# KiCad board APDS9960 Adapter board_panel.kicad_pcb (continued)
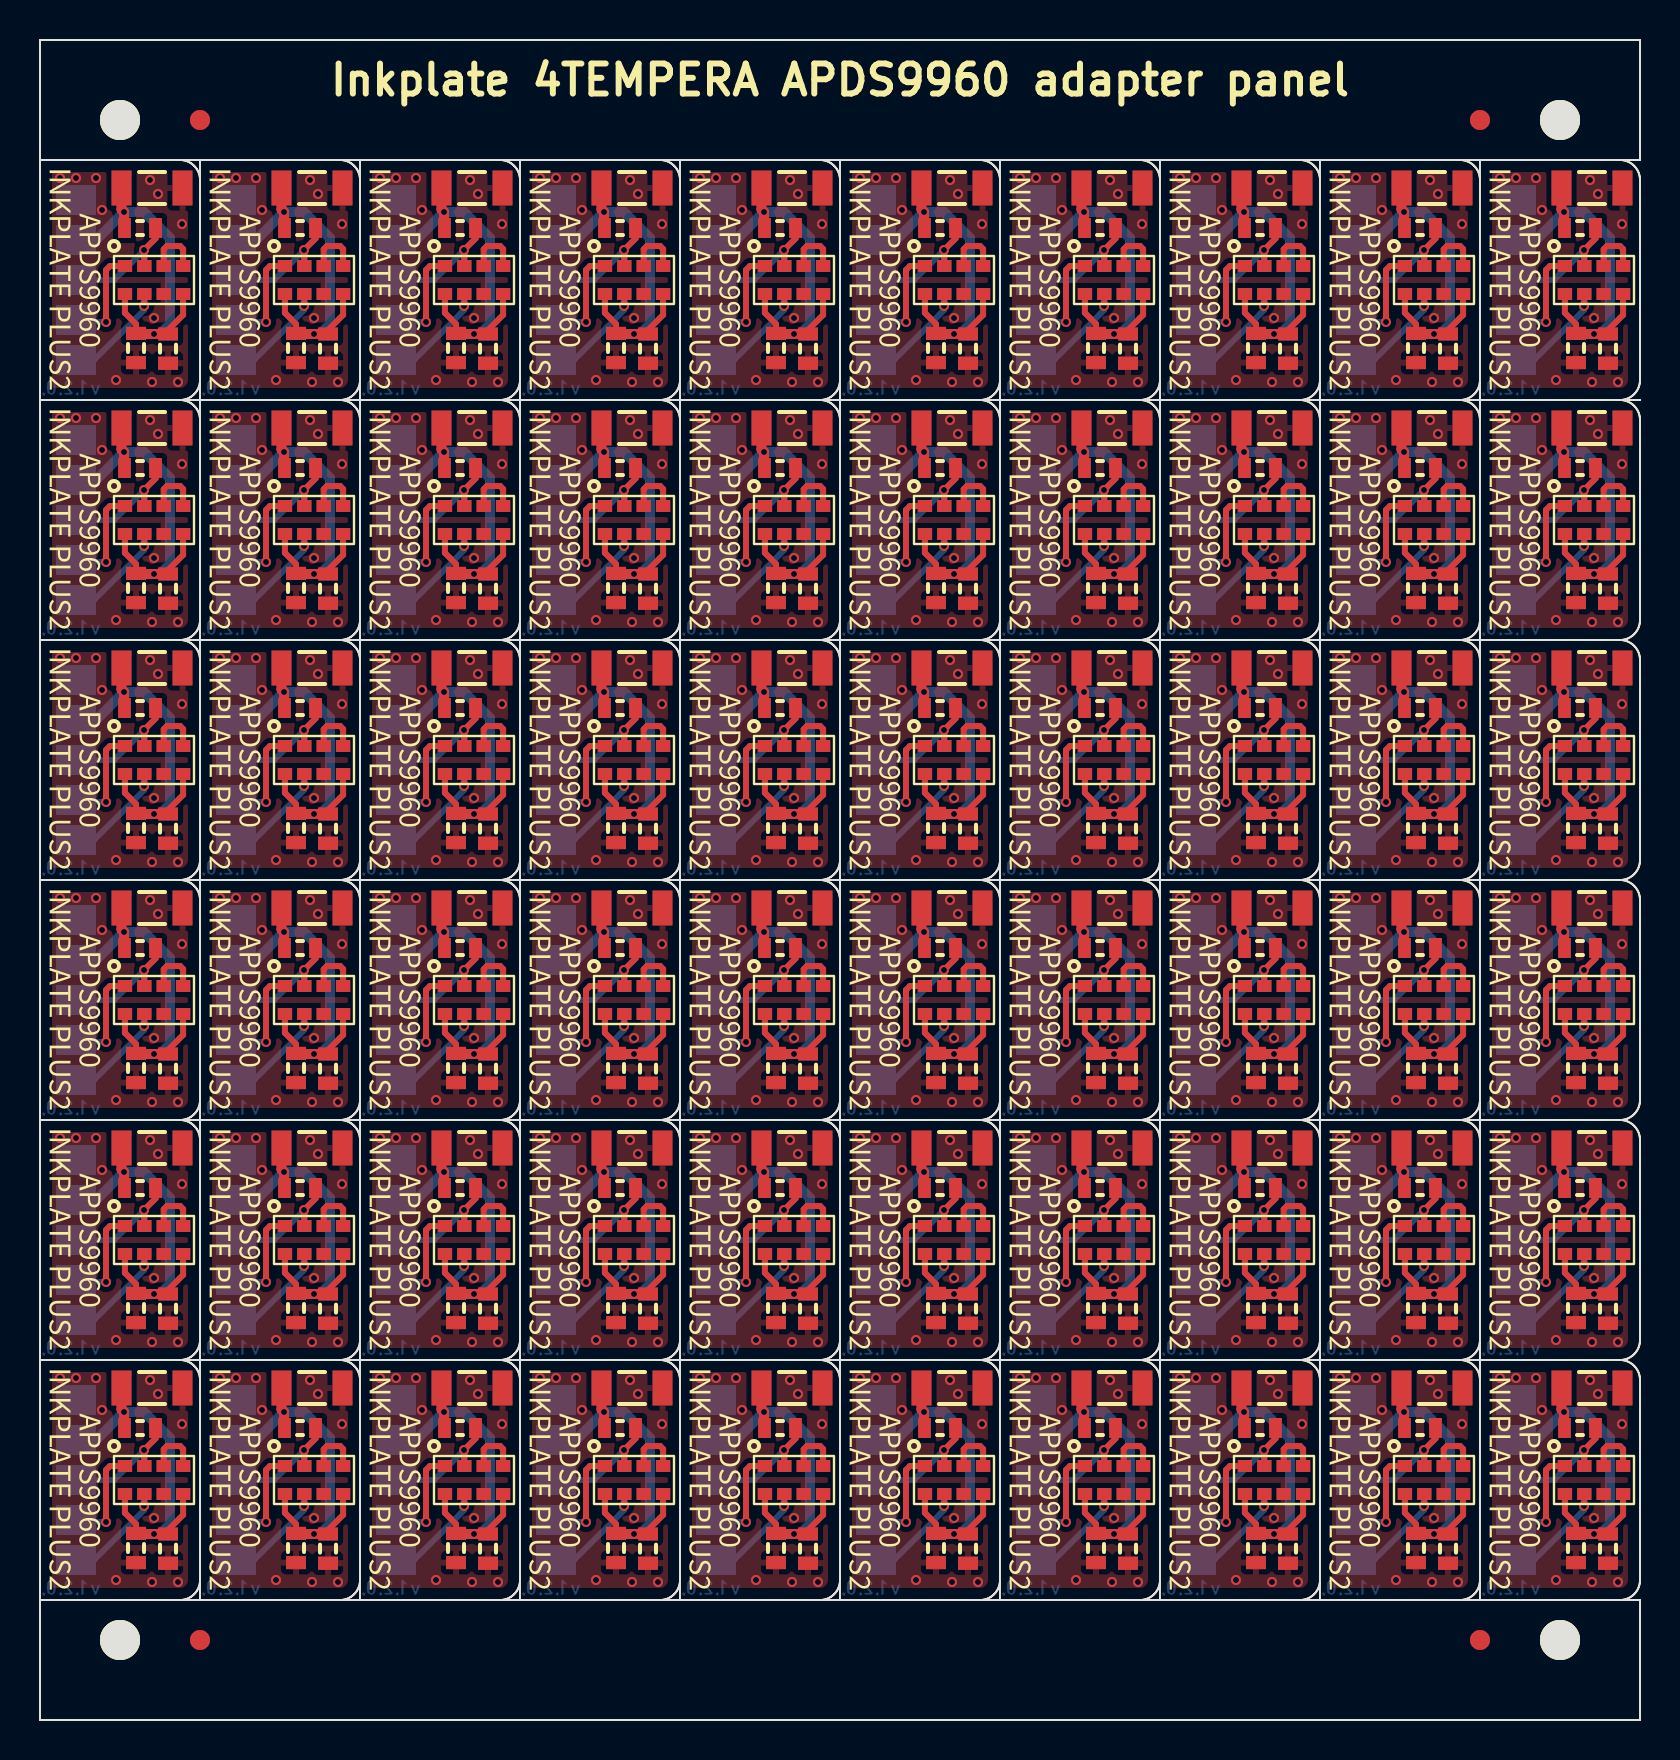
[diagram p0: board, top side]
## Routing (per net, layer and track width the routed paths; a pad name or vN(x,y) marks a point on that pad's centre or on a via; arc(x,y) is an arc through that point) (continued)
Board_43-GND:
  vias: v1(25,29.1) v1(25.8,29.1) v1(26.8,29.1) v1(27.1,27.5) v1(27.8,19) v1(29.5,29) v1(29.6,18.9) v1(29.7,22.1) v1(29.9,28.3) v1(30.9,18.9) v1(31.1,26.8)
Board_43-I2C_SCL: length 5.2
  Top w0.3: U1#6.7 29.22,22.72 v1(29.2,22.7)
  Bottom w0.3: v1(29.2,22.7) 29.2,22.5 26.7,20 PAD2#33.1
Board_43-I2C_SDA: length 5.2
  Top w0.3: v1(27.3,21.9) 27.3,24.5 27.5,24.7 U1#6.1
  Bottom w0.3: v1(27.3,21.9) 25.9,21.9 PAD1#53.1
Board_43-INT_APDS: length 6.2
  Top w0.3: R1#21.1 29.78,26.08 v1(29.2,25.5) 29.22,25.49 U1#6.2
  Bottom w0.3: v1(29.2,25.5) 27.7,24 PAD3#6.1
Board_43-Net-(U1-Pad3): length 2.8
  Top w0.3: U1#6.4 31.16,25.55 31,25.7 30.35,25.7 30.19,25.54 U1#6.3
Board_44-3V3: length 20
  Top w0.3: U1#23.8 36.25,22.36 36.8,21.8 C1#59.2 ; C2#9.2 38.4,21.5 39.16,22.26 U1#23.5
  Top w0.5: v1(37.7,21.3) C2#9.2 36.83,21.3 C1#59.2 ; R1#24.2 36.2,26.63 v1(36.2,27.4) 36.08,27.53 C3#60.2
  Bottom w0.5: PAD4#5.1 34.8,26 v1(36.2,27.4) 37.2,27.4 38.5,26.1 38.5,21.8 38,21.3 v1(37.7,21.3)
Board_44-GND:
  vias: v1(33,29.1) v1(33.8,29.1) v1(34.8,29.1) v1(35.1,27.5) v1(35.8,19) v1(37.5,29) v1(37.6,18.9) v1(37.7,22.1) v1(37.9,28.3) v1(38.9,18.9) v1(39.1,26.8)
Board_44-I2C_SCL: length 5.2
  Top w0.3: v1(37.2,22.7) 37.22,22.72 U1#23.7
  Bottom w0.3: v1(37.2,22.7) 37.2,22.5 34.7,20 PAD2#18.1
Board_44-I2C_SDA: length 5.2
  Top w0.3: v1(35.3,21.9) 35.3,24.5 35.5,24.7 U1#23.1
  Bottom w0.3: v1(35.3,21.9) 33.9,21.9 PAD1#2.1
Board_44-INT_APDS: length 6.2
  Top w0.3: R1#24.1 37.78,26.08 v1(37.2,25.5) 37.22,25.49 U1#23.2
  Bottom w0.3: PAD3#19.1 35.7,24 v1(37.2,25.5)
Board_44-Net-(U1-Pad3): length 2.8
  Top w0.3: U1#23.4 39.16,25.55 39,25.7 38.35,25.7 38.19,25.54 U1#23.3
Board_45-3V3: length 20
  Top w0.3: U1#18.8 44.25,22.36 44.8,21.8 C1#47.2 ; U1#18.5 47.16,22.26 46.4,21.5 C2#39.2
  Top w0.5: R1#18.2 44.2,26.63 v1(44.2,27.4) 44.08,27.53 C3#15.2 ; C1#47.2 44.83,21.3 C2#39.2 v1(45.7,21.3)
  Bottom w0.5: PAD4#43.1 42.8,26 v1(44.2,27.4) 45.2,27.4 46.5,26.1 46.5,21.8 46,21.3 v1(45.7,21.3)
Board_45-GND:
  vias: v1(41,29.1) v1(41.8,29.1) v1(42.8,29.1) v1(43.1,27.5) v1(43.8,19) v1(45.5,29) v1(45.6,18.9) v1(45.7,22.1) v1(45.9,28.3) v1(46.9,18.9) v1(47.1,26.8)
Board_45-I2C_SCL: length 5.2
  Top w0.3: U1#18.7 45.22,22.72 v1(45.2,22.7)
  Bottom w0.3: PAD2#12.1 42.7,20 45.2,22.5 v1(45.2,22.7)
Board_45-I2C_SDA: length 5.2
  Top w0.3: v1(43.3,21.9) 43.3,24.5 43.5,24.7 U1#18.1
  Bottom w0.3: v1(43.3,21.9) 41.9,21.9 PAD1#37.1
Board_45-INT_APDS: length 6.2
  Top w0.3: R1#18.1 45.78,26.08 v1(45.2,25.5) 45.22,25.49 U1#18.2
  Bottom w0.3: v1(45.2,25.5) 43.7,24 PAD3#17.1
Board_45-Net-(U1-Pad3): length 2.8
  Top w0.3: U1#18.3 46.19,25.54 46.35,25.7 47,25.7 47.16,25.55 U1#18.4
Board_46-3V3: length 20
  Top w0.3: U1#54.8 52.25,22.36 52.8,21.8 C1#60.2 ; C2#54.2 54.4,21.5 55.16,22.26 U1#54.5
  Top w0.5: v1(53.7,21.3) C2#54.2 52.83,21.3 C1#60.2 ; C3#31.2 52.08,27.53 v1(52.2,27.4) 52.2,26.63 R1#31.2
  Bottom w0.5: PAD4#7.1 50.8,26 v1(52.2,27.4) 53.2,27.4 54.5,26.1 54.5,21.8 54,21.3 v1(53.7,21.3)
Board_46-GND:
  vias: v1(49,29.1) v1(49.8,29.1) v1(50.8,29.1) v1(51.1,27.5) v1(51.8,19) v1(53.5,29) v1(53.6,18.9) v1(53.7,22.1) v1(53.9,28.3) v1(54.9,18.9) v1(55.1,26.8)
Board_46-I2C_SCL: length 5.2
  Top w0.3: v1(53.2,22.7) 53.22,22.72 U1#54.7
  Bottom w0.3: v1(53.2,22.7) 53.2,22.5 50.7,20 PAD2#3.1
Board_46-I2C_SDA: length 5.2
  Top w0.3: U1#54.1 51.5,24.7 51.3,24.5 v1(51.3,21.9)
  Bottom w0.3: v1(51.3,21.9) 49.9,21.9 PAD1#60.1
Board_46-INT_APDS: length 6.2
  Top w0.3: R1#31.1 53.78,26.08 v1(53.2,25.5) 53.22,25.49 U1#54.2
  Bottom w0.3: PAD3#30.1 51.7,24 v1(53.2,25.5)
Board_46-Net-(U1-Pad3): length 2.8
  Top w0.3: U1#54.3 54.19,25.54 54.35,25.7 55,25.7 55.16,25.55 U1#54.4
Board_47-3V3: length 20
  Top w0.3: C2#55.2 62.4,21.5 63.16,22.26 U1#19.5 ; C1#7.2 60.8,21.8 60.25,22.36 U1#19.8
  Top w0.5: R1#55.2 60.2,26.63 v1(60.2,27.4) 60.08,27.53 C3#36.2 ; v1(61.7,21.3) C2#55.2 60.83,21.3 C1#7.2
  Bottom w0.5: v1(61.7,21.3) 62,21.3 62.5,21.8 62.5,26.1 61.2,27.4 v1(60.2,27.4) 58.8,26 PAD4#24.1
Board_47-GND:
  vias: v1(57,29.1) v1(57.8,29.1) v1(58.8,29.1) v1(59.1,27.5) v1(59.8,19) v1(61.5,29) v1(61.6,18.9) v1(61.7,22.1) v1(61.9,28.3) v1(62.9,18.9) v1(63.1,26.8)
Board_47-I2C_SCL: length 5.2
  Top w0.3: v1(61.2,22.7) 61.22,22.72 U1#19.7
  Bottom w0.3: v1(61.2,22.7) 61.2,22.5 58.7,20 PAD2#57.1
Board_47-I2C_SDA: length 5.2
  Top w0.3: U1#19.1 59.5,24.7 59.3,24.5 v1(59.3,21.9)
  Bottom w0.3: PAD1#54.1 57.9,21.9 v1(59.3,21.9)
Board_47-INT_APDS: length 6.2
  Top w0.3: R1#55.1 61.78,26.08 v1(61.2,25.5) 61.22,25.49 U1#19.2
  Bottom w0.3: PAD3#52.1 59.7,24 v1(61.2,25.5)
Board_47-Net-(U1-Pad3): length 2.8
  Top w0.3: U1#19.4 63.16,25.55 63,25.7 62.35,25.7 62.19,25.54 U1#19.3
Board_48-3V3: length 20
  Top w0.3: U1#8.8 68.25,22.36 68.8,21.8 C1#23.2 ; U1#8.5 71.16,22.26 70.4,21.5 C2#24.2
  Top w0.5: C3#56.2 68.08,27.53 v1(68.2,27.4) 68.2,26.63 R1#57.2 ; v1(69.7,21.3) C2#24.2 68.83,21.3 C1#23.2
  Bottom w0.5: v1(69.7,21.3) 70,21.3 70.5,21.8 70.5,26.1 69.2,27.4 v1(68.2,27.4) 66.8,26 PAD4#4.1
Board_48-GND:
  vias: v1(65,29.1) v1(65.8,29.1) v1(66.8,29.1) v1(67.1,27.5) v1(67.8,19) v1(69.5,29) v1(69.6,18.9) v1(69.7,22.1) v1(69.9,28.3) v1(70.9,18.9) v1(71.1,26.8)
Board_48-I2C_SCL: length 5.2
  Top w0.3: v1(69.2,22.7) 69.22,22.72 U1#8.7
  Bottom w0.3: PAD2.1 66.7,20 69.2,22.5 v1(69.2,22.7)
Board_48-I2C_SDA: length 5.2
  Top w0.3: v1(67.3,21.9) 67.3,24.5 67.5,24.7 U1#8.1
  Bottom w0.3: PAD1#57.1 65.9,21.9 v1(67.3,21.9)
Board_48-INT_APDS: length 6.2
  Top w0.3: U1#8.2 69.22,25.49 v1(69.2,25.5) 69.78,26.08 R1#57.1
  Bottom w0.3: PAD3#13.1 67.7,24 v1(69.2,25.5)
Board_48-Net-(U1-Pad3): length 2.8
  Top w0.3: U1#8.4 71.16,25.55 71,25.7 70.35,25.7 70.19,25.54 U1#8.3
Board_49-3V3: length 20
  Top w0.3: C2#47.2 78.4,21.5 79.16,22.26 U1#44.5 ; C1#9.2 76.8,21.8 76.25,22.36 U1#44.8
  Top w0.5: R1#38.2 76.2,26.63 v1(76.2,27.4) 76.08,27.53 C3.2 ; C1#9.2 76.83,21.3 C2#47.2 v1(77.7,21.3)
  Bottom w0.5: PAD4#36.1 74.8,26 v1(76.2,27.4) 77.2,27.4 78.5,26.1 78.5,21.8 78,21.3 v1(77.7,21.3)
Board_49-GND:
  vias: v1(73,29.1) v1(73.8,29.1) v1(74.8,29.1) v1(75.1,27.5) v1(75.8,19) v1(77.5,29) v1(77.6,18.9) v1(77.7,22.1) v1(77.9,28.3) v1(78.9,18.9) v1(79.1,26.8)
Board_49-I2C_SCL: length 5.2
  Top w0.3: U1#44.7 77.22,22.72 v1(77.2,22.7)
  Bottom w0.3: v1(77.2,22.7) 77.2,22.5 74.7,20 PAD2#47.1
Board_49-I2C_SDA: length 5.2
  Top w0.3: v1(75.3,21.9) 75.3,24.5 75.5,24.7 U1#44.1
  Bottom w0.3: PAD1#47.1 73.9,21.9 v1(75.3,21.9)
Board_49-INT_APDS: length 6.2
  Top w0.3: U1#44.2 77.22,25.49 v1(77.2,25.5) 77.78,26.08 R1#38.1
  Bottom w0.3: v1(77.2,25.5) 75.7,24 PAD3#22.1
Board_49-Net-(U1-Pad3): length 2.8
  Top w0.3: U1#44.3 78.19,25.54 78.35,25.7 79,25.7 79.16,25.55 U1#44.4
Board_50-3V3: length 20
  Top w0.3: U1#45.5 7.16,10.25 6.4,9.5 C2#45.2 ; U1#45.8 4.25,10.35 4.8,9.8 C1.2
  Top w0.5: v1(5.7,9.3) C2#45.2 4.83,9.3 C1.2 ; R1#20.2 4.2,14.62 v1(4.2,15.4) 4.08,15.52 C3#19.2
  Bottom w0.5: PAD4#53.1 2.8,14 v1(4.2,15.4) 5.2,15.4 6.5,14.1 6.5,9.8 6,9.3 v1(5.7,9.3)
Board_50-GND:
  vias: v1(1,17.1) v1(1.8,17.1) v1(2.8,17.1) v1(3.1,15.5) v1(3.8,7) v1(5.5,17) v1(5.6,6.9) v1(5.7,10.1) v1(5.9,16.3) v1(6.9,6.9) v1(7.1,14.8)
Board_50-I2C_SCL: length 5.2
  Top w0.3: v1(5.2,10.7) 5.22,10.71 U1#45.7
  Bottom w0.3: PAD2#44.1 2.7,8 5.2,10.5 v1(5.2,10.7)
Board_50-I2C_SDA: length 5.2
  Top w0.3: v1(3.3,9.9) 3.3,12.5 3.5,12.7 U1#45.1
  Bottom w0.3: v1(3.3,9.9) 1.9,9.9 PAD1#35.1
Board_50-INT_APDS: length 6.2
  Top w0.3: U1#45.2 5.22,13.48 v1(5.2,13.5) 5.78,14.07 R1#20.1
  Bottom w0.3: PAD3#34.1 3.7,12 v1(5.2,13.5)
Board_50-Net-(U1-Pad3): length 2.8
  Top w0.3: U1#45.3 6.19,13.53 6.35,13.7 7,13.7 7.16,13.54 U1#45.4
Board_51-3V3: length 20
  Top w0.3: U1#16.8 12.25,10.35 12.8,9.8 C1#15.2 ; U1#16.5 15.16,10.25 14.4,9.5 C2#43.2
  Top w0.5: C1#15.2 12.83,9.3 C2#43.2 v1(13.7,9.3) ; R1#17.2 12.2,14.62 v1(12.2,15.4) 12.08,15.52 C3#47.2
  Bottom w0.5: v1(13.7,9.3) 14,9.3 14.5,9.8 14.5,14.1 13.2,15.4 v1(12.2,15.4) 10.8,14 PAD4#30.1
Board_51-GND:
  vias: v1(9,17.1) v1(9.8,17.1) v1(10.8,17.1) v1(11.1,15.5) v1(11.8,7) v1(13.5,17) v1(13.6,6.9) v1(13.7,10.1) v1(13.9,16.3) v1(14.9,6.9) v1(15.1,14.8)
Board_51-I2C_SCL: length 5.2
  Top w0.3: v1(13.2,10.7) 13.22,10.71 U1#16.7
  Bottom w0.3: PAD2#59.1 10.7,8 13.2,10.5 v1(13.2,10.7)
Board_51-I2C_SDA: length 5.2
  Top w0.3: v1(11.3,9.9) 11.3,12.5 11.5,12.7 U1#16.1
  Bottom w0.3: v1(11.3,9.9) 9.9,9.9 PAD1#51.1
Board_51-INT_APDS: length 6.2
  Top w0.3: R1#17.1 13.78,14.07 v1(13.2,13.5) 13.22,13.48 U1#16.2
  Bottom w0.3: PAD3#23.1 11.7,12 v1(13.2,13.5)
Board_51-Net-(U1-Pad3): length 2.8
  Top w0.3: U1#16.4 15.16,13.54 15,13.7 14.35,13.7 14.19,13.53 U1#16.3
Board_52-3V3: length 20
  Top w0.3: C1#20.2 20.8,9.8 20.25,10.35 U1#5.8 ; C2#57.2 22.4,9.5 23.16,10.25 U1#5.5
  Top w0.5: v1(21.7,9.3) C2#57.2 20.83,9.3 C1#20.2 ; C3#27.2 20.08,15.52 v1(20.2,15.4) 20.2,14.62 R1#6.2
  Bottom w0.5: PAD4#55.1 18.8,14 v1(20.2,15.4) 21.2,15.4 22.5,14.1 22.5,9.8 22,9.3 v1(21.7,9.3)
Board_52-GND:
  vias: v1(17,17.1) v1(17.8,17.1) v1(18.8,17.1) v1(19.1,15.5) v1(19.8,7) v1(21.5,17) v1(21.6,6.9) v1(21.7,10.1) v1(21.9,16.3) v1(22.9,6.9) v1(23.1,14.8)
Board_52-I2C_SCL: length 5.2
  Top w0.3: U1#5.7 21.22,10.71 v1(21.2,10.7)
  Bottom w0.3: v1(21.2,10.7) 21.2,10.5 18.7,8 PAD2#25.1
Board_52-I2C_SDA: length 5.2
  Top w0.3: U1#5.1 19.5,12.7 19.3,12.5 v1(19.3,9.9)
  Bottom w0.3: v1(19.3,9.9) 17.9,9.9 PAD1#31.1
Board_52-INT_APDS: length 6.2
  Top w0.3: R1#6.1 21.78,14.07 v1(21.2,13.5) 21.22,13.48 U1#5.2
  Bottom w0.3: v1(21.2,13.5) 19.7,12 PAD3#60.1
Board_52-Net-(U1-Pad3): length 2.8
  Top w0.3: U1#5.3 22.19,13.53 22.35,13.7 23,13.7 23.16,13.54 U1#5.4
Board_53-3V3: length 20
  Top w0.3: U1#47.8 28.25,10.35 28.8,9.8 C1#3.2 ; C2#11.2 30.4,9.5 31.16,10.25 U1#47.5
  Top w0.5: v1(29.7,9.3) C2#11.2 28.83,9.3 C1#3.2 ; C3#52.2 28.08,15.52 v1(28.2,15.4) 28.2,14.62 R1#13.2
  Bottom w0.5: PAD4#48.1 26.8,14 v1(28.2,15.4) 29.2,15.4 30.5,14.1 30.5,9.8 30,9.3 v1(29.7,9.3)
Board_53-GND:
  vias: v1(25,17.1) v1(25.8,17.1) v1(26.8,17.1) v1(27.1,15.5) v1(27.8,7) v1(29.5,17) v1(29.6,6.9) v1(29.7,10.1) v1(29.9,16.3) v1(30.9,6.9) v1(31.1,14.8)
Board_53-I2C_SCL: length 5.2
  Top w0.3: v1(29.2,10.7) 29.22,10.71 U1#47.7
  Bottom w0.3: v1(29.2,10.7) 29.2,10.5 26.7,8 PAD2#10.1
Board_53-I2C_SDA: length 5.2
  Top w0.3: v1(27.3,9.9) 27.3,12.5 27.5,12.7 U1#47.1
  Bottom w0.3: PAD1#17.1 25.9,9.9 v1(27.3,9.9)
Board_53-INT_APDS: length 6.2
  Top w0.3: U1#47.2 29.22,13.48 v1(29.2,13.5) 29.78,14.07 R1#13.1
  Bottom w0.3: PAD3.1 27.7,12 v1(29.2,13.5)
Board_53-Net-(U1-Pad3): length 2.8
  Top w0.3: U1#47.3 30.19,13.53 30.35,13.7 31,13.7 31.16,13.54 U1#47.4
Board_54-3V3: length 20
  Top w0.3: C1#21.2 36.8,9.8 36.25,10.35 U1#56.8 ; C2#33.2 38.4,9.5 39.16,10.25 U1#56.5
  Top w0.5: v1(37.7,9.3) C2#33.2 36.83,9.3 C1#21.2 ; C3#38.2 36.08,15.52 v1(36.2,15.4) 36.2,14.62 R1#8.2
  Bottom w0.5: PAD4#57.1 34.8,14 v1(36.2,15.4) 37.2,15.4 38.5,14.1 38.5,9.8 38,9.3 v1(37.7,9.3)
Board_54-GND:
  vias: v1(33,17.1) v1(33.8,17.1) v1(34.8,17.1) v1(35.1,15.5) v1(35.8,7) v1(37.5,17) v1(37.6,6.9) v1(37.7,10.1) v1(37.9,16.3) v1(38.9,6.9) v1(39.1,14.8)
Board_54-I2C_SCL: length 5.2
  Top w0.3: U1#56.7 37.22,10.71 v1(37.2,10.7)
  Bottom w0.3: PAD2#49.1 34.7,8 37.2,10.5 v1(37.2,10.7)
Board_54-I2C_SDA: length 5.2
  Top w0.3: v1(35.3,9.9) 35.3,12.5 35.5,12.7 U1#56.1
  Bottom w0.3: v1(35.3,9.9) 33.9,9.9 PAD1#22.1
Board_54-INT_APDS: length 6.2
  Top w0.3: U1#56.2 37.22,13.48 v1(37.2,13.5) 37.78,14.07 R1#8.1
  Bottom w0.3: PAD3#33.1 35.7,12 v1(37.2,13.5)
Board_54-Net-(U1-Pad3): length 2.8
  Top w0.3: U1#56.3 38.19,13.53 38.35,13.7 39,13.7 39.16,13.54 U1#56.4
Board_55-3V3: length 20
  Top w0.3: C2#38.2 46.4,9.5 47.16,10.25 U1#26.5 ; U1#26.8 44.25,10.35 44.8,9.8 C1#28.2
  Top w0.5: C1#28.2 44.83,9.3 C2#38.2 v1(45.7,9.3) ; R1#45.2 44.2,14.62 v1(44.2,15.4) 44.08,15.52 C3#51.2
  Bottom w0.5: PAD4#9.1 42.8,14 v1(44.2,15.4) 45.2,15.4 46.5,14.1 46.5,9.8 46,9.3 v1(45.7,9.3)
Board_55-GND:
  vias: v1(41,17.1) v1(41.8,17.1) v1(42.8,17.1) v1(43.1,15.5) v1(43.8,7) v1(45.5,17) v1(45.6,6.9) v1(45.7,10.1) v1(45.9,16.3) v1(46.9,6.9) v1(47.1,14.8)
Board_55-I2C_SCL: length 5.2
  Top w0.3: U1#26.7 45.22,10.71 v1(45.2,10.7)
  Bottom w0.3: PAD2#46.1 42.7,8 45.2,10.5 v1(45.2,10.7)
Board_55-I2C_SDA: length 5.2
  Top w0.3: U1#26.1 43.5,12.7 43.3,12.5 v1(43.3,9.9)
  Bottom w0.3: v1(43.3,9.9) 41.9,9.9 PAD1#18.1
Board_55-INT_APDS: length 6.2
  Top w0.3: U1#26.2 45.22,13.48 v1(45.2,13.5) 45.78,14.07 R1#45.1
  Bottom w0.3: PAD3#3.1 43.7,12 v1(45.2,13.5)
Board_55-Net-(U1-Pad3): length 2.8
  Top w0.3: U1#26.3 46.19,13.53 46.35,13.7 47,13.7 47.16,13.54 U1#26.4
Board_56-3V3: length 20
  Top w0.3: U1#48.8 52.25,10.35 52.8,9.8 C1#8.2 ; U1#48.5 55.16,10.25 54.4,9.5 C2#13.2
  Top w0.5: v1(53.7,9.3) C2#13.2 52.83,9.3 C1#8.2 ; C3#11.2 52.08,15.52 v1(52.2,15.4) 52.2,14.62 R1#60.2
  Bottom w0.5: PAD4#28.1 50.8,14 v1(52.2,15.4) 53.2,15.4 54.5,14.1 54.5,9.8 54,9.3 v1(53.7,9.3)
Board_56-GND:
  vias: v1(49,17.1) v1(49.8,17.1) v1(50.8,17.1) v1(51.1,15.5) v1(51.8,7) v1(53.5,17) v1(53.6,6.9) v1(53.7,10.1) v1(53.9,16.3) v1(54.9,6.9) v1(55.1,14.8)
Board_56-I2C_SCL: length 5.2
  Top w0.3: v1(53.2,10.7) 53.22,10.71 U1#48.7
  Bottom w0.3: v1(53.2,10.7) 53.2,10.5 50.7,8 PAD2#9.1
Board_56-I2C_SDA: length 5.2
  Top w0.3: U1#48.1 51.5,12.7 51.3,12.5 v1(51.3,9.9)
  Bottom w0.3: v1(51.3,9.9) 49.9,9.9 PAD1#20.1
Board_56-INT_APDS: length 6.2
  Top w0.3: U1#48.2 53.22,13.48 v1(53.2,13.5) 53.78,14.07 R1#60.1
  Bottom w0.3: PAD3#43.1 51.7,12 v1(53.2,13.5)
Board_56-Net-(U1-Pad3): length 2.8
  Top w0.3: U1#48.3 54.19,13.53 54.35,13.7 55,13.7 55.16,13.54 U1#48.4
Board_57-3V3: length 20
  Top w0.3: C1#5.2 60.8,9.8 60.25,10.35 U1#13.8 ; U1#13.5 63.16,10.25 62.4,9.5 C2#42.2
  Top w0.5: R1#27.2 60.2,14.62 v1(60.2,15.4) 60.08,15.52 C3#9.2 ; C1#5.2 60.83,9.3 C2#42.2 v1(61.7,9.3)
  Bottom w0.5: PAD4#2.1 58.8,14 v1(60.2,15.4) 61.2,15.4 62.5,14.1 62.5,9.8 62,9.3 v1(61.7,9.3)
Board_57-GND:
  vias: v1(57,17.1) v1(57.8,17.1) v1(58.8,17.1) v1(59.1,15.5) v1(59.8,7) v1(61.5,17) v1(61.6,6.9) v1(61.7,10.1) v1(61.9,16.3) v1(62.9,6.9) v1(63.1,14.8)
Board_57-I2C_SCL: length 5.2
  Top w0.3: v1(61.2,10.7) 61.22,10.71 U1#13.7
  Bottom w0.3: v1(61.2,10.7) 61.2,10.5 58.7,8 PAD2#14.1
Board_57-I2C_SDA: length 5.2
  Top w0.3: U1#13.1 59.5,12.7 59.3,12.5 v1(59.3,9.9)
  Bottom w0.3: PAD1#42.1 57.9,9.9 v1(59.3,9.9)
Board_57-INT_APDS: length 6.2
  Top w0.3: R1#27.1 61.78,14.07 v1(61.2,13.5) 61.22,13.48 U1#13.2
  Bottom w0.3: PAD3#32.1 59.7,12 v1(61.2,13.5)
Board_57-Net-(U1-Pad3): length 2.8
  Top w0.3: U1#13.4 63.16,13.54 63,13.7 62.35,13.7 62.19,13.53 U1#13.3
Board_58-3V3: length 20
  Top w0.3: C1#49.2 68.8,9.8 68.25,10.35 U1#29.8 ; U1#29.5 71.16,10.25 70.4,9.5 C2#32.2
  Top w0.5: C3#37.2 68.08,15.52 v1(68.2,15.4) 68.2,14.62 R1#5.2 ; v1(69.7,9.3) C2#32.2 68.83,9.3 C1#49.2
  Bottom w0.5: PAD4#8.1 66.8,14 v1(68.2,15.4) 69.2,15.4 70.5,14.1 70.5,9.8 70,9.3 v1(69.7,9.3)
Board_58-GND:
  vias: v1(65,17.1) v1(65.8,17.1) v1(66.8,17.1) v1(67.1,15.5) v1(67.8,7) v1(69.5,17) v1(69.6,6.9) v1(69.7,10.1) v1(69.9,16.3) v1(70.9,6.9) v1(71.1,14.8)
Board_58-I2C_SCL: length 5.2
  Top w0.3: U1#29.7 69.22,10.71 v1(69.2,10.7)
  Bottom w0.3: v1(69.2,10.7) 69.2,10.5 66.7,8 PAD2#7.1
Board_58-I2C_SDA: length 5.2
  Top w0.3: U1#29.1 67.5,12.7 67.3,12.5 v1(67.3,9.9)
  Bottom w0.3: v1(67.3,9.9) 65.9,9.9 PAD1#45.1
Board_58-INT_APDS: length 6.2
  Top w0.3: R1#5.1 69.78,14.07 v1(69.2,13.5) 69.22,13.48 U1#29.2
  Bottom w0.3: PAD3#24.1 67.7,12 v1(69.2,13.5)
Board_58-Net-(U1-Pad3): length 2.8
  Top w0.3: U1#29.4 71.16,13.54 71,13.7 70.35,13.7 70.19,13.53 U1#29.3
Board_59-3V3: length 20
  Top w0.3: U1#51.5 79.16,10.25 78.4,9.5 C2#14.2 ; U1#51.8 76.25,10.35 76.8,9.8 C1#37.2
  Top w0.5: C3#18.2 76.08,15.52 v1(76.2,15.4) 76.2,14.62 R1#43.2 ; C1#37.2 76.83,9.3 C2#14.2 v1(77.7,9.3)
  Bottom w0.5: PAD4#25.1 74.8,14 v1(76.2,15.4) 77.2,15.4 78.5,14.1 78.5,9.8 78,9.3 v1(77.7,9.3)
Board_59-GND:
  vias: v1(73,17.1) v1(73.8,17.1) v1(74.8,17.1) v1(75.1,15.5) v1(75.8,7) v1(77.5,17) v1(77.6,6.9) v1(77.7,10.1) v1(77.9,16.3) v1(78.9,6.9) v1(79.1,14.8)
Board_59-I2C_SCL: length 5.2
  Top w0.3: U1#51.7 77.22,10.71 v1(77.2,10.7)
  Bottom w0.3: PAD2#56.1 74.7,8 77.2,10.5 v1(77.2,10.7)
Board_59-I2C_SDA: length 5.2
  Top w0.3: U1#51.1 75.5,12.7 75.3,12.5 v1(75.3,9.9)
  Bottom w0.3: v1(75.3,9.9) 73.9,9.9 PAD1#52.1
Board_59-INT_APDS: length 6.2
  Top w0.3: U1#51.2 77.22,13.48 v1(77.2,13.5) 77.78,14.07 R1#43.1
  Bottom w0.3: PAD3#50.1 75.7,12 v1(77.2,13.5)
Board_59-Net-(U1-Pad3): length 2.8
  Top w0.3: U1#51.3 78.19,13.53 78.35,13.7 79,13.7 79.16,13.54 U1#51.4

## Copper pours and planes (outline as drawn; the poured copper is in the pictures)
Board_0-GND on Top, Bottom: 8,66 0,66 0,78 8,78
Board_1-GND on Top, Bottom: 16,66 8,66 8,78 16,78
Board_2-GND on Top, Bottom: 24,66 16,66 16,78 24,78
Board_3-GND on Top, Bottom: 32,66 24,66 24,78 32,78
Board_4-GND on Top, Bottom: 40,66 32,66 32,78 40,78
Board_5-GND on Top, Bottom: 48,66 40,66 40,78 48,78
Board_6-GND on Top, Bottom: 56,66 48,66 48,78 56,78
Board_7-GND on Top, Bottom: 64,66 56,66 56,78 64,78
Board_8-GND on Top, Bottom: 72,66 64,66 64,78 72,78
Board_9-GND on Top, Bottom: 80,66 72,66 72,78 80,78
Board_10-GND on Top, Bottom: 8,54 0,54 0,66 8,66
Board_11-GND on Top, Bottom: 16,54 8,54 8,66 16,66
Board_12-GND on Top, Bottom: 24,54 16,54 16,66 24,66
Board_13-GND on Top, Bottom: 32,54 24,54 24,66 32,66
Board_14-GND on Top, Bottom: 40,54 32,54 32,66 40,66
Board_15-GND on Top, Bottom: 48,54 40,54 40,66 48,66
Board_16-GND on Top, Bottom: 56,54 48,54 48,66 56,66
Board_17-GND on Top, Bottom: 64,54 56,54 56,66 64,66
Board_18-GND on Top, Bottom: 72,54 64,54 64,66 72,66
Board_19-GND on Top, Bottom: 80,54 72,54 72,66 80,66
Board_20-GND on Top, Bottom: 8,42 0,42 0,54 8,54
Board_21-GND on Top, Bottom: 16,42 8,42 8,54 16,54
Board_22-GND on Top, Bottom: 24,42 16,42 16,54 24,54
Board_23-GND on Top, Bottom: 32,42 24,42 24,54 32,54
Board_24-GND on Top, Bottom: 40,42 32,42 32,54 40,54
Board_25-GND on Top, Bottom: 48,42 40,42 40,54 48,54
Board_26-GND on Top, Bottom: 56,42 48,42 48,54 56,54
Board_27-GND on Top, Bottom: 64,42 56,42 56,54 64,54
Board_28-GND on Top, Bottom: 72,42 64,42 64,54 72,54
Board_29-GND on Top, Bottom: 80,42 72,42 72,54 80,54
Board_30-GND on Top, Bottom: 8,30 0,30 0,42 8,42
Board_31-GND on Top, Bottom: 16,30 8,30 8,42 16,42
Board_32-GND on Top, Bottom: 24,30 16,30 16,42 24,42
Board_33-GND on Top, Bottom: 32,30 24,30 24,42 32,42
Board_34-GND on Top, Bottom: 40,30 32,30 32,42 40,42
Board_35-GND on Top, Bottom: 48,30 40,30 40,42 48,42
Board_36-GND on Top, Bottom: 56,30 48,30 48,42 56,42
Board_37-GND on Top, Bottom: 64,30 56,30 56,42 64,42
Board_38-GND on Top, Bottom: 72,30 64,30 64,42 72,42
Board_39-GND on Top, Bottom: 80,30 72,30 72,42 80,42
Board_40-GND on Top, Bottom: 8,18 0,18 0,30 8,30
Board_41-GND on Top, Bottom: 16,18 8,18 8,30 16,30
Board_42-GND on Top, Bottom: 24,18 16,18 16,30 24,30
Board_43-GND on Top, Bottom: 32,18 24,18 24,30 32,30
Board_44-GND on Top, Bottom: 40,18 32,18 32,30 40,30
Board_45-GND on Top, Bottom: 48,18 40,18 40,30 48,30
Board_46-GND on Top, Bottom: 56,18 48,18 48,30 56,30
Board_47-GND on Top, Bottom: 64,18 56,18 56,30 64,30
Board_48-GND on Top, Bottom: 72,18 64,18 64,30 72,30
Board_49-GND on Top, Bottom: 80,18 72,18 72,30 80,30
Board_50-GND on Top, Bottom: 8,6 0,6 0,18 8,18
Board_51-GND on Top, Bottom: 16,6 8,6 8,18 16,18
Board_52-GND on Top, Bottom: 24,6 16,6 16,18 24,18
Board_53-GND on Top, Bottom: 32,6 24,6 24,18 32,18
Board_54-GND on Top, Bottom: 40,6 32,6 32,18 40,18
Board_55-GND on Top, Bottom: 48,6 40,6 40,18 48,18
Board_56-GND on Top, Bottom: 56,6 48,6 48,18 56,18
Board_57-GND on Top, Bottom: 64,6 56,6 56,18 64,18
Board_58-GND on Top, Bottom: 72,6 64,6 64,18 72,18
Board_59-GND on Top, Bottom: 80,6 72,6 72,18 80,18

## Text on the board
F.Silkscreen: Inkplate 4TEMPERA APDS9960 adapter panel
User.8: V-CUT
